# KiCad board panel_32x32_1515_r0.1.kicad_pcb (continued)
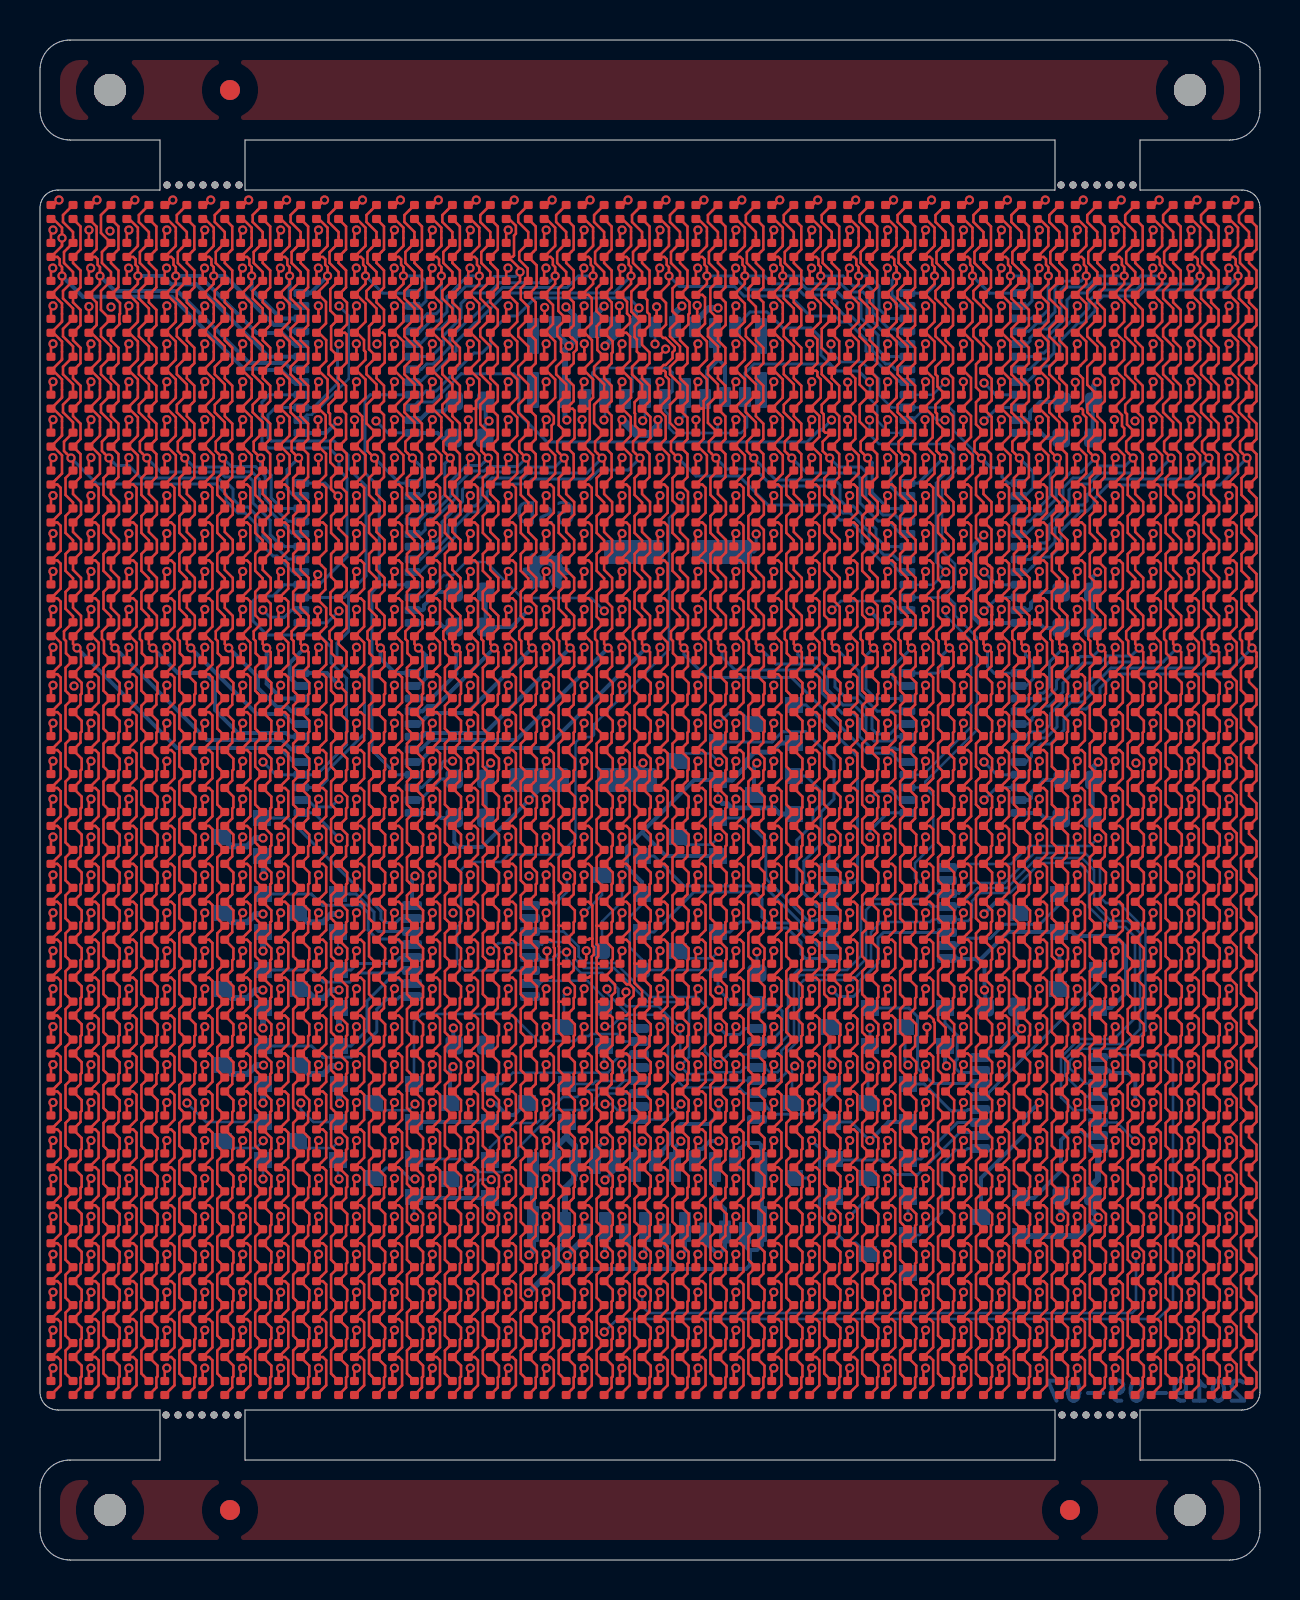
[diagram p0: board, top side]
## Routing (per net, layer and track width the routed paths; a pad name or vN(x,y) marks a point on that pad's centre or on a via; arc(x,y) is an arc through that point) (continued)
/ledArray/B: length 26.2
  In1.Cu w0.127: v1(14.95,62.7) 14.95,62.37 15.42,61.9 31.29,61.9 v1(32.09,62.7)
  Bottom w0.127: U9.2 13.34,57.26 13.58,57.26 13.72,57.4 13.77,57.4 15.44,59.06 15.44,62.21 v1(14.95,62.7)
  Bottom w0.3: v1(32.09,62.7) 31.75,62.36 J1.8
/ledArray/BLANK: length 123.9
  In2.Cu w0.15: v1(47.2,49.4) 46.55,50.05 43.15,50.05 43.05,50.15 ; 43.57,40.58 43.6,40.55 46.55,40.55 v1(47.2,39.9) ; 45.7,58.25 45.75,58.3 46.65,58.3 v1(47.2,58.85)
  In2.Cu w0.2: v1(29.95,62.6) 29.95,62.93 30.52,63.5 44.7,63.5 45.1,63.1 45.1,60.78 45.7,60.17 45.7,56.6 44.7,55.6 44.7,54.45 44.25,54 44,54 43.05,53.05 43.05,44.8 43.57,44.28 43.57,38.12 43.28,37.83 43.28,34.03 35.15,25.9 33.15,25.9 32.48,25.23 32.48,23.93 31.5,22.95 31.5,22.34 v1(30.11,20.95)
  Bottom w0.15: 16.96,48.76 16.96,53.64 16.25,54.35 16.25,58 16.51,58.26 U9.21 19.11,58.26 19.3,58.45 19.8,58.45 21.7,60.35 22.1,60.35 22.55,60.8 22.55,61.4 23.35,62.2 23.85,62.2 24.75,63.1 27.02,63.1 29.45,63.1 v1(29.95,62.6) ; 16.96,48.76 16.6,48.4 16.6,40.48 17.82,39.26 U5.21 ; 16.96,48.76 U7.21 ; v1(47.2,58.85) 47.79,58.26 U10.21 ; U6.21 47.84,39.26 v1(47.2,39.9) ; v1(47.2,49.4) 47.84,48.76 U8.21
  Bottom w0.2: J2.12 29.75,20.59 v1(30.11,20.95)
  Bottom w0.3: v1(29.95,62.6) 29.75,62.4 J1.12
/ledArray/Bout: length 52.9
  In2.Cu w0.2: v1(47.2,56.95) 46.65,56.4 46.65,54.98 46.37,54.7 46.15,54.7 45,53.55 45,50.85 45.27,50.58 46.77,50.58 47.62,49.73 47.62,49.2 46.78,48.36 46.78,45.57 47.62,44.73 47.62,39.7 46.78,38.86 46.78,37.38 43.8,34.4 43.8,30.8 41,28 38.4,28 37.35,26.95 37.35,26.45 37.05,26.15 36,26.15 35.35,25.5 35.35,22.3 34.9,21.85 32.95,21.85 v1(32.04,20.94)
  Bottom w0.15: U10.22 47.88,57.63 v1(47.2,56.95)
  Bottom w0.2: J2.8 31.75,20.65 v1(32.04,20.94)
/ledArray/G: length 46.6
  In1.Cu w0.127: v1(33.9,62.6) 33.15,61.85 31.55,61.85 31.35,61.65 17.2,61.65 16.85,61.3 v1(16.85,60.8)
  In2.Cu w0.15: v1(14.94,38.04) 14.94,42.69 15.4,43.15 15.4,46.3 14.45,47.25 14.45,48.15 14.9,48.6 14.9,52 15.4,52.5 15.4,56.75 15.33,56.82 15.33,59.63 15.75,60.05 16.1,60.05 v1(16.85,60.8)
  Bottom w0.15: U5.2 13.11,37.95 13.44,37.95 13.74,37.65 14.55,37.65 v1(14.94,38.04)
  Bottom w0.3: v1(33.9,62.6) 33.45,62.6 32.95,62.1 32.9,62.1 32.9,61.8 J1.6
/ledArray/Gout: length 30.8
  In2.Cu w0.2: v1(33.94,20.94) 34.53,20.35 35.1,20.35 35.75,21 35.75,25.3 36.2,25.75 37.25,25.75 37.8,26.3 37.8,26.85 38.45,27.5 42.4,27.5 45.1,30.2 45.1,34.3 47.2,36.4 v1(47.2,38)
  Bottom w0.15: U6.22 47.83,38.63 v1(47.2,38)
  Bottom w0.2: J2.6 32.75,20.35 32.95,20.55 33.1,20.55 33.49,20.94 v1(33.94,20.94)
/ledArray/LATCH: length 185.2
  In1.Cu w0.127: 45.25,57.85 45.25,58.88 v1(45.27,58.9) ; 45.25,57.85 41.15,57.85 ; 45.25,57.85 53.85,57.85 v1(54.75,56.95) ; 41.15,57.85 41.48,57.52 v1(41.48,57) ; 41.15,57.85 31.02,57.85 v1(30.14,56.97) 29.32,56.15 16,56.15 v1(14.95,55.1)
  In2.Cu w0.127: v1(30.15,15.25) 30.11,15.21 v1(30.11,13.35) ; v1(54.75,56.95) 54.75,55.57 55.15,55.18 55.15,49 55.5,48.65 56.15,48.65 56.6,48.2 56.6,47 56.85,46.75 57.7,46.75 58.05,46.4 58.05,45.2 56.55,43.7 56.55,17 v1(54.8,15.25) ; v1(45.29,47.5) 45.29,49.39 v1(45.29,49.4)
  Bottom w0.127: U10.4 44.63,58.26 v1(45.27,58.9) ; U6.4 44.16,39.26 46.55,41.66 46.55,45.95 45.29,47.21 v1(45.29,47.5) ; U8.4 44.66,48.76 v1(45.29,49.4) 44.8,49.89 44.8,53.85 45.7,54.75 45.7,55.55 45.45,55.8 41.95,55.8 41.48,56.27 v1(41.48,57) ; J1.11 30.25,57.08 v1(30.14,56.97) ; v1(30.11,13.35) 30.11,12.69 30.45,12.35 54.6,12.35 54.8,12.55 v1(54.8,15.25)
  Bottom w0.15: U9.4 11.46,58.26 11.1,57.9 11.1,55.9 11.4,55.6 14.45,55.6 v1(14.95,55.1) 14.95,54.5 15.35,54.1 15.35,50.16 13.95,48.76 U7.4 12.21,48.76 11.65,48.2 10.9,48.2 10.65,47.95 10.65,46.95 11.35,46.25 13.95,46.25 14.55,45.65 14.55,44.86 15.33,44.08 15.33,40.77 13.83,39.26 U5.4 11.79,39.26 v1(11.15,39.9)
  Bottom w0.2: J2.11 30.25,15.35 v1(30.15,15.25)
/ledArray/R: length 50.7
  In2.Cu w0.15: v1(11.14,47.5) 11.14,53.81 10.6,54.35 10.6,63.5 11.1,64 11.1,65.05 11.85,65.8 24.1,65.8 24.65,65.25 24.65,58.2 25.05,57.8 31.09,57.8 v1(31.95,56.95)
  Bottom w0.15: U7.2 12.57,47.49 12.22,47.14 11.51,47.14 v1(11.14,47.5) ; v1(31.95,56.95) 32.25,57.25 J1.7
/ledArray/Rout: length 49.1
  In2.Cu w0.2: v1(47.2,47.45) 48.85,45.8 48.85,28 48.4,27.55 44.2,27.55 42.5,25.85 38.1,25.85 37.65,25.4 36.5,25.4 36.15,25.05 36.15,19.5 34.4,17.75 34.4,17.6 v1(32.05,15.25)
  Bottom w0.15: U8.22 47.88,48.13 v1(47.2,47.45)
  Bottom w0.2: v1(32.05,15.25) 32.25,15.45 J2.7
/ledArray/ROWblank: length 113.1
  In2.Cu w0.127: v1(28.2,62.69) 28.2,61.7 27.75,61.25 27.75,60 28,59.75 33.4,59.75 34.35,58.8 34.35,56.55 33.8,56 29.2,56 28.65,55.45 28.65,49.7 25.95,47 25.95,30.78 v1(26.33,30.4)
  In2.Cu w0.15: v1(32.01,26.6) 28.65,23.24 28.65,21.38 v1(28.21,20.95)
  Bottom w0.127: U1.13 25,30.12 25.11,30.02 25.63,30.02 26.01,30.4 v1(26.33,30.4) 26.33,30.07 27.05,29.35 28.12,29.35 28.92,28.55 28.92,28.09 29.32,27.68 30.92,27.68 v1(32.01,26.6) 32.01,25.46 31.63,25.07 31.63,24.52 32.14,24 34.6,24 34.62,23.97 U2.13 36.93,23.97 37.3,24.35 37.3,25.35 37.95,26 37.95,28.75 38.2,29 40.65,29 41.55,29.9 41.55,31.4 42.05,31.9 44.5,31.9 44.62,32.03 45.95,32.03 46.03,31.95 46.4,31.95 46.6,32.15 46.6,32.95 47,33.35 48.5,33.35 50,34.85 51.95,34.85 52.45,34.35 52.45,32.65 53.45,31.65 54.25,31.65 54.75,31.15 54.75,27.09 53.71,26.05 51.97,26.05 51.05,25.13 51.05,23.12 51.68,22.49 52.27,22.49 52.3,22.53 52.9,22.53
  Bottom w0.2: J2.16 27.75,20.49 v1(28.21,20.95)
  Bottom w0.3: v1(28.2,62.69) 27.75,62.24 J1.16
/ledArray/ROWdat: length 54.1
  In2.Cu w0.127: v1(28.25,60.7) 28.85,61.3 35.15,61.3 35.6,60.85 35.6,56.15 35.25,55.8 35.25,54.05 35,53.8 32.62,53.8 v1(32.02,53.2)
  Bottom w0.127: 24.5,29.47 21.22,29.47 20.85,29.85 20.85,31.65 21.05,31.85 21.05,34.5 21.45,34.9 23.06,34.9 23.43,35.27 25.97,35.27 26.78,36.08 26.78,40.88 27.05,41.15 27.59,41.15 27.7,41.25 27.7,41.77 31.45,45.52 31.45,52.1 32.1,52.75 32.1,53.12 v1(32.02,53.2)
  Bottom w0.3: J1.14 28.75,61.2 v1(28.25,60.7)
/ledArray/ROWlatch: length 105.4
  In2.Cu w0.127: v1(32.01,24.7) 31.56,24.25 30.2,24.25 29.55,23.6 29.55,20.1 28.63,19.18 28.63,18.77 28.05,18.19 28.05,15.78 28.23,15.6 v1(28.23,15.28) ; v1(22.52,30.45) 23.95,31.88 23.95,35.95 23.9,36 23.9,45.05 23.95,45.1 23.95,48.15 24.3,48.5 25.3,48.5 26.7,49.9 26.7,55.39 28.2,56.89 v1(28.2,57)
  Bottom w0.127: U1.12 24.57,30.84 ; U1.12 23.9,30.78 23.83,30.84 22.92,30.84 v1(22.52,30.45) ; U1.12 25.1,30.78 25.22,30.9 26.39,30.9 26.71,30.58 26.71,30.08 27.19,29.6 28.7,29.6 30.4,27.9 32.2,27.9 32.45,27.65 32.45,25.14 v1(32.01,24.7) 32.41,24.3 33.3,24.3 33.39,24.39 35.01,24.39 35.25,24.62 U2.12 36.25,24.62 36.49,24.39 36.87,24.39 37.07,24.59 37.07,25.47 37.7,26.1 37.7,28.95 38,29.25 40.5,29.25 41.3,30.05 41.3,32.5 41.6,32.8 44.45,32.8 44.57,32.67 U3.12 45.95,32.67 46.88,33.6 48.35,33.6 49.85,35.1 52.1,35.1 52.7,34.5 52.7,32.8 53.55,31.95 54.4,31.95 55,31.35 55,26.55 54.25,25.8 52.02,25.8 51.26,25.04 51.26,24.21 52.3,23.17 U4.12 ; J1.15 28.25,57.05 v1(28.2,57)
  Bottom w0.2: J2.15 28.25,15.3 v1(28.23,15.28)
/ledArray/ROWout: length 54.3
  In2.Cu w0.127: v1(28.25,19) 27.75,18.5 27.75,11.86 v1(28.21,11.4)
  Bottom w0.127: U4.9 53.5,25.12 53.62,25.25 56.45,25.25 56.65,25.05 56.65,12.8 55.9,12.05 28.86,12.05 v1(28.21,11.4)
  Bottom w0.2: v1(28.25,19) 28.75,19.5 J2.14
/ledArray/SCLK: length 166.4
  In1.Cu w0.127: 29.9,59.95 30.5,59.95 30.55,60 39.08,60 39.55,60.47 v1(39.55,60.8)
  In1.Cu w0.15: v1(14.95,60.8) 14.95,59.85 15.15,59.65 18.9,59.65 19.2,59.95 30.45,59.95 30.52,60.02 30.52,60.57 v1(30.75,60.8)
  In2.Cu w0.127: v1(33.91,24.77) 33.91,23.84 33.94,23.81 v1(33.94,22.84)
  Bottom w0.127: U1.11 26.17,31.42 26.93,30.67 26.93,30.17 27.25,29.85 28.78,29.85 30.47,28.15 32.85,28.15 33.45,27.55 33.45,26.35 33.25,26.15 33.25,25.43 v1(33.91,24.77) 34.41,25.28 U2.11 36.45,25.28 37.4,26.22 37.4,29 37.9,29.5 40.35,29.5 41.05,30.2 41.05,32.65 41.45,33.05 44.25,33.05 44.53,33.33 ; J1.10 v1(30.75,60.8) ; U6.3 44.26,38.63 ; 44.26,38.63 44.66,38.23 44.66,35.76 43.75,34.85 43.75,34.1 44.53,33.33 ; 44.26,38.63 44.26,38.91 46.85,41.5 46.85,46.12 45.75,47.22 45.75,47.8 45.42,48.13 45.22,48.13 ; 45.22,48.13 45.22,48.28 45.75,48.81 45.75,49.8 45.1,50.45 45.1,53.75 45.9,54.55 46.4,54.55 46.65,54.8 46.65,55.5 45.7,56.45 45.7,57.4 45.47,57.63 U10.3 42.57,57.63 41.95,58.25 41.95,59.05 41.1,59.9 40.05,59.9 39.55,60.4 v1(39.55,60.8) ; 45.22,48.13 U8.3 ; 44.53,33.33 45.95,33.33 46.47,33.85 48.22,33.85 49.72,35.35 52.25,35.35 53,34.6 53,33.15 53.3,32.85 53.95,32.85 55.27,31.53 55.27,26.47 54.36,25.56 52.09,25.56 51.48,24.95 51.48,24.59 52.24,23.83 52.9,23.83
  Bottom w0.15: v1(14.95,60.8) 14.88,60.72 14.88,58.83 13.68,57.63 U9.3 11.78,57.63 11.4,57.25 11.4,56.1 11.55,55.95 14.7,55.95 15.4,55.25 15.4,54.6 16.3,53.7 16.3,49.2 15.43,48.33 ; 15.43,48.33 15.23,48.13 U7.3 ; 15.43,48.33 15.43,46.43 14.85,45.85 14.85,45 15.51,44.34 15.89,44.34 16.22,44.02 16.22,41.31 14.35,39.45 14.35,39 13.98,38.63 U5.3
  Bottom w0.2: v1(33.94,22.84) 33.94,22.29 33.45,21.8 32.05,21.8 31.5,21.25 31.5,20.86 31.12,20.48 31.12,20.32 J2.10
/ledArray/sheet5D7D53E6/COM: length 65
  Top w0.127: v1(0.65,53.22) 0.55,53.12 D257.1 ; v1(2.55,53.22) 2.45,53.12 D258.1 ; v1(4.44,53.22) 4.34,53.12 D259.1 ; v1(6.34,53.22) 6.24,53.12 D260.1 ; v1(8.24,53.22) 8.14,53.12 D261.1 ; v1(10.13,53.22) 10.03,53.12 D262.1 ; v1(12.03,53.22) 11.93,53.12 D263.1 ; v1(13.93,53.22) 13.83,53.12 D264.1 ; v1(15.82,53.22) 15.72,53.12 D265.1 ; v1(17.72,53.22) 17.62,53.12 D266.1 ; v1(19.62,53.22) 19.52,53.12 D267.1 ; v1(21.51,53.22) 21.41,53.12 D268.1 ; v1(23.41,53.22) 23.31,53.12 D269.1 ; v1(25.31,53.22) 25.21,53.12 D270.1 ; v1(27.2,53.22) 27.1,53.12 D271.1 ; v1(29.1,53.22) 29,53.12 D272.1 ; v1(31,53.22) 30.9,53.12 D273.1 ; v1(32.9,53.22) 32.79,53.12 D274.1 ; v1(34.79,53.22) 34.69,53.12 D275.1 ; v1(36.69,53.22) 36.59,53.12 D276.1 ; v1(38.59,53.22) 38.48,53.12 D277.1 ; v1(40.48,53.22) 40.38,53.12 D278.1 ; v1(42.38,53.22) 42.28,53.12 D279.1 ; v1(44.28,53.22) 44.17,53.12 D280.1 ; v1(46.17,53.22) 46.07,53.12 D281.1 ; v1(48.07,53.22) 47.97,53.12 D282.1 ; v1(49.97,53.22) 49.86,53.12 D283.1 ; v1(51.86,53.22) 51.76,53.12 D284.1 ; v1(53.76,53.22) 53.66,53.12 D285.1 ; v1(55.66,53.22) 55.56,53.12 D286.1 ; v1(57.55,53.22) 57.45,53.12 D287.1 ; v1(59.45,53.22) 59.35,53.12 D288.1
  In2.Cu w0.2: v1(37.74,24.7) 38.49,25.45 45.8,25.45 47.55,27.2 48.55,27.2 49.2,27.85 49.2,43.85 50.5,45.15 50.5,46 49.1,47.4 49.1,49.7 48.05,50.75 47.07,50.75 46.77,51.05 46.77,52.62 v1(46.17,53.22)
  Bottom w0.127: v1(37.74,24.7) 37.6,24.56 Q9.3
/ledArray/sheet5D7D53F6/COM: length 58.3
  Top w0.127: v1(0.65,51.33) 0.55,51.22 D289.1 ; v1(2.55,51.33) 2.45,51.22 D290.1 ; v1(4.44,51.33) 4.34,51.22 D291.1 ; v1(6.34,51.33) 6.24,51.22 D292.1 ; v1(8.24,51.33) 8.14,51.22 D293.1 ; v1(10.13,51.33) 10.03,51.22 D294.1 ; v1(12.03,51.33) 11.93,51.22 D295.1 ; v1(13.93,51.33) 13.83,51.22 D296.1 ; v1(15.82,51.33) 15.72,51.22 D297.1 ; v1(17.72,51.33) 17.62,51.22 D298.1 ; v1(19.62,51.33) 19.52,51.22 D299.1 ; v1(21.51,51.33) 21.41,51.22 D300.1 ; v1(23.41,51.33) 23.31,51.22 D301.1 ; v1(25.31,51.33) 25.21,51.22 D302.1 ; v1(27.2,51.33) 27.1,51.22 D303.1 ; v1(29.1,51.33) 29,51.22 D304.1 ; v1(31,51.33) 30.9,51.22 D305.1 ; v1(32.9,51.33) 32.79,51.22 D306.1 ; v1(34.79,51.33) 34.69,51.22 D307.1 ; v1(36.69,51.33) 36.59,51.22 D308.1 ; v1(38.59,51.33) 38.48,51.22 D309.1 ; v1(40.48,51.33) 40.38,51.22 D310.1 ; v1(42.38,51.33) 42.28,51.22 D311.1 ; v1(44.28,51.33) 44.17,51.22 D312.1 ; v1(46.17,51.33) 46.07,51.22 D313.1 ; v1(48.07,51.33) 47.97,51.22 D314.1 ; v1(49.97,51.33) 49.86,51.22 D315.1 ; v1(51.86,51.33) 51.76,51.22 D316.1 ; v1(53.76,51.33) 53.66,51.22 D317.1 ; v1(55.66,51.33) 55.56,51.22 D318.1 ; v1(57.55,51.33) 57.45,51.22 D319.1 ; v1(59.45,51.33) 59.35,51.22 D320.1
  In2.Cu w0.2: v1(2.55,51.33) 2.97,50.91 2.97,29.16 v1(11.16,20.96)
  Bottom w0.127: Q10.3 9.5,20.6 10.8,20.6 v1(11.16,20.96)
/ledArray/sheet5D7D542A/COM: length 53.7
  Top w0.127: v1(0.65,45.64) 0.55,45.53 D385.1 ; v1(2.55,45.64) 2.45,45.53 D386.1 ; v1(4.44,45.64) 4.34,45.53 D387.1 ; v1(6.34,45.64) 6.24,45.53 D388.1 ; v1(8.24,45.64) 8.14,45.53 D389.1 ; v1(10.13,45.64) 10.03,45.53 D390.1 ; v1(12.03,45.64) 11.93,45.53 D391.1 ; v1(13.93,45.64) 13.83,45.53 D392.1 ; v1(15.82,45.64) 15.72,45.53 D393.1 ; v1(17.72,45.64) 17.62,45.53 D394.1 ; v1(19.62,45.64) 19.52,45.53 D395.1 ; v1(21.51,45.64) 21.41,45.53 D396.1 ; v1(23.41,45.64) 23.31,45.53 D397.1 ; v1(25.31,45.64) 25.21,45.53 D398.1 ; v1(27.2,45.64) 27.1,45.53 D399.1 ; v1(29.1,45.64) 29,45.53 D400.1 ; v1(31,45.64) 30.9,45.53 D401.1 ; v1(32.9,45.64) 32.79,45.53 D402.1 ; v1(34.79,45.64) 34.69,45.53 D403.1 ; v1(36.69,45.64) 36.59,45.53 D404.1 ; v1(38.59,45.64) 38.48,45.53 D405.1 ; v1(40.48,45.64) 40.38,45.53 D406.1 ; v1(42.38,45.64) 42.28,45.53 D407.1 ; v1(44.28,45.64) 44.17,45.53 D408.1 ; v1(46.17,45.64) 46.07,45.53 D409.1 ; v1(48.07,45.64) 47.97,45.53 D410.1 ; v1(49.97,45.64) 49.86,45.53 D411.1 ; v1(51.86,45.64) 51.76,45.53 D412.1 ; v1(53.76,45.64) 53.66,45.53 D413.1 ; v1(55.66,45.64) 55.56,45.53 D414.1 ; v1(57.55,45.64) 57.45,45.53 D415.1 ; v1(59.45,45.64) 59.35,45.53 D416.1
  In2.Cu w0.2: v1(22.56,19.02) 20.98,20.6 20.98,23.37 20.2,24.15 20.2,30.9 19.05,32.05 19.05,32.9 20.2,34.05 20.2,44.32 v1(21.51,45.64)
  Bottom w0.127: Q13.3 20.55,19.05 21.08,18.52 21.52,18.52 22.02,19.02 v1(22.56,19.02)
/ledArray/sheet5D7D543A/COM: length 46.1
  Top w0.127: v1(0.65,43.74) 0.55,43.64 D417.1 ; v1(2.55,43.74) 2.45,43.64 D418.1 ; v1(4.44,43.74) 4.34,43.64 D419.1 ; v1(6.34,43.74) 6.24,43.64 D420.1 ; v1(8.24,43.74) 8.14,43.64 D421.1 ; v1(10.13,43.74) 10.03,43.64 D422.1 ; v1(12.03,43.74) 11.93,43.64 D423.1 ; v1(13.93,43.74) 13.83,43.64 D424.1 ; v1(15.82,43.74) 15.72,43.64 D425.1 ; v1(17.72,43.74) 17.62,43.64 D426.1 ; v1(19.62,43.74) 19.52,43.64 D427.1 ; v1(21.51,43.74) 21.41,43.64 D428.1 ; v1(23.41,43.74) 23.31,43.64 D429.1 ; v1(25.31,43.74) 25.21,43.64 D430.1 ; v1(27.2,43.74) 27.1,43.64 D431.1 ; v1(29.1,43.74) 29,43.64 D432.1 ; v1(31,43.74) 30.9,43.64 D433.1 ; v1(32.9,43.74) 32.79,43.64 D434.1 ; v1(34.79,43.74) 34.69,43.64 D435.1 ; v1(36.69,43.74) 36.59,43.64 D436.1 ; v1(38.59,43.74) 38.48,43.64 D437.1 ; v1(40.48,43.74) 40.38,43.64 D438.1 ; v1(42.38,43.74) 42.28,43.64 D439.1 ; v1(44.28,43.74) 44.17,43.64 D440.1 ; v1(46.17,43.74) 46.07,43.64 D441.1 ; v1(48.07,43.74) 47.97,43.64 D442.1 ; v1(49.97,43.74) 49.86,43.64 D443.1 ; v1(51.86,43.74) 51.76,43.64 D444.1 ; v1(53.76,43.74) 53.66,43.64 D445.1 ; v1(55.66,43.74) 55.56,43.64 D446.1 ; v1(57.55,43.74) 57.45,43.64 D447.1 ; v1(59.45,43.74) 59.35,43.64 D448.1
  In2.Cu w0.2: v1(22.52,22.85) 22.52,28.48 21.95,29.05 21.95,32.65 22.52,33.22 22.52,38.62 22.95,39.05 22.95,43.28 v1(23.41,43.74)
  Bottom w0.2: Q14.3 24.3,22.85 23.7,22.25 23.34,22.25 22.74,22.85 v1(22.52,22.85)
  vias: v1(1.7,43.7)
/ledArray/sheet5D7D544C/COM: length 41.9
  Top w0.127: v1(0.65,41.84) 0.55,41.74 D449.1 ; v1(2.55,41.84) 2.45,41.74 D450.1 ; v1(4.44,41.84) 4.34,41.74 D451.1 ; v1(6.34,41.84) 6.24,41.74 D452.1 ; v1(8.24,41.84) 8.14,41.74 D453.1 ; v1(10.13,41.84) 10.03,41.74 D454.1 ; v1(12.03,41.84) 11.93,41.74 D455.1 ; v1(13.93,41.84) 13.83,41.74 D456.1 ; v1(15.82,41.84) 15.72,41.74 D457.1 ; v1(17.72,41.84) 17.62,41.74 D458.1 ; v1(19.62,41.84) 19.52,41.74 D459.1 ; v1(21.51,41.84) 21.41,41.74 D460.1 ; v1(23.41,41.84) 23.31,41.74 D461.1 ; v1(25.31,41.84) 25.21,41.74 D462.1 ; v1(27.2,41.84) 27.1,41.74 D463.1 ; v1(29.1,41.84) 29,41.74 D464.1 ; v1(31,41.84) 30.9,41.74 D465.1 ; v1(32.9,41.84) 32.79,41.74 D466.1 ; v1(34.79,41.84) 34.69,41.74 D467.1 ; v1(36.69,41.84) 36.59,41.74 D468.1 ; v1(38.59,41.84) 38.48,41.74 D469.1 ; v1(40.48,41.84) 40.38,41.74 D470.1 ; v1(42.38,41.84) 42.28,41.74 D471.1 ; v1(44.28,41.84) 44.17,41.74 D472.1 ; v1(46.17,41.84) 46.07,41.74 D473.1 ; v1(48.07,41.84) 47.97,41.74 D474.1 ; v1(49.97,41.84) 49.86,41.74 D475.1 ; v1(51.86,41.84) 51.76,41.74 D476.1 ; v1(53.76,41.84) 53.66,41.74 D477.1 ; v1(55.66,41.84) 55.56,41.74 D478.1 ; v1(57.55,41.84) 57.45,41.74 D479.1 ; v1(59.45,41.84) 59.35,41.74 D480.1
  In2.Cu w0.2: v1(20.65,24.67) 21.09,25.1 21.09,38.74 22.05,39.7 22.05,41.31 v1(21.51,41.84)
  Bottom w0.2: Q15.3 20.5,24.52 v1(20.65,24.67)
/ledArray/sheet5D7D545C/COM: length 42.9
  Top w0.127: v1(0.65,39.95) 0.55,39.84 D481.1 ; v1(2.55,39.95) 2.45,39.84 D482.1 ; v1(4.44,39.95) 4.34,39.84 D483.1 ; v1(6.34,39.95) 6.24,39.84 D484.1 ; v1(8.24,39.95) 8.14,39.84 D485.1 ; v1(10.13,39.95) 10.03,39.84 D486.1 ; v1(12.03,39.95) 11.93,39.84 D487.1 ; v1(13.93,39.95) 13.83,39.84 D488.1 ; v1(15.82,39.95) 15.72,39.84 D489.1 ; v1(17.72,39.95) 17.62,39.84 D490.1 ; v1(19.62,39.95) 19.52,39.84 D491.1 ; v1(21.51,39.95) 21.41,39.84 D492.1 ; v1(23.41,39.95) 23.31,39.84 D493.1 ; v1(25.31,39.95) 25.21,39.84 D494.1 ; v1(27.2,39.95) 27.1,39.84 D495.1 ; v1(29.1,39.95) 29,39.84 D496.1 ; v1(31,39.95) 30.9,39.84 D497.1 ; v1(32.9,39.95) 32.79,39.84 D498.1 ; v1(34.79,39.95) 34.69,39.84 D499.1 ; v1(36.69,39.95) 36.59,39.84 D500.1 ; v1(38.59,39.95) 38.48,39.84 D501.1 ; v1(40.48,39.95) 40.38,39.84 D502.1 ; v1(42.38,39.95) 42.28,39.84 D503.1 ; v1(44.28,39.95) 44.17,39.84 D504.1 ; v1(46.17,39.95) 46.07,39.84 D505.1 ; v1(48.07,39.95) 47.97,39.84 D506.1 ; v1(49.97,39.95) 49.86,39.84 D507.1 ; v1(51.86,39.95) 51.76,39.84 D508.1 ; v1(53.76,39.95) 53.66,39.84 D509.1 ; v1(55.66,39.95) 55.56,39.84 D510.1 ; v1(57.55,39.95) 57.45,39.84 D511.1 ; v1(59.45,39.95) 59.35,39.84 D512.1
  In2.Cu w0.2: v1(18.75,22.8) 16.95,24.6 16.95,26.7 16.6,27.05 16.6,38.82 v1(17.72,39.95)
  Bottom w0.127: v1(18.75,22.8) 18.44,22.49 17.06,22.49 Q16.3
/ledArray/sheet5D7D5408/COM: length 53.8
  Top w0.127: v1(0.65,49.43) 0.55,49.33 D321.1 ; v1(2.55,49.43) 2.45,49.33 D322.1 ; v1(4.44,49.43) 4.34,49.33 D323.1 ; v1(6.34,49.43) 6.24,49.33 D324.1 ; v1(8.24,49.43) 8.14,49.33 D325.1 ; v1(10.13,49.43) 10.03,49.33 D326.1 ; v1(12.03,49.43) 11.93,49.33 D327.1 ; v1(15.82,49.43) 15.72,49.33 D329.1 ; v1(17.72,49.43) 17.62,49.33 D330.1 ; v1(19.62,49.43) 19.52,49.33 D331.1 ; v1(21.51,49.43) 21.41,49.33 D332.1 ; v1(23.41,49.43) 23.31,49.33 D333.1 ; v1(25.31,49.43) 25.21,49.33 D334.1 ; v1(27.2,49.43) 27.1,49.33 D335.1 ; v1(29.1,49.43) 29,49.33 D336.1 ; v1(31,49.43) 30.9,49.33 D337.1 ; v1(32.9,49.43) 32.79,49.33 D338.1 ; v1(34.79,49.43) 34.69,49.33 D339.1 ; v1(36.69,49.43) 36.59,49.33 D340.1 ; v1(38.59,49.43) 38.48,49.33 D341.1 ; v1(40.48,49.43) 40.38,49.33 D342.1 ; v1(42.38,49.43) 42.28,49.33 D343.1 ; v1(44.28,49.43) 44.17,49.33 D344.1 ; v1(46.17,49.43) 46.07,49.33 D345.1 ; v1(48.07,49.43) 47.97,49.33 D346.1 ; v1(49.97,49.43) 49.86,49.33 D347.1 ; v1(51.86,49.43) 51.76,49.33 D348.1 ; v1(53.76,49.43) 53.66,49.33 D349.1 ; v1(55.66,49.43) 55.56,49.33 D350.1 ; v1(57.55,49.43) 57.45,49.33 D351.1 ; v1(59.45,49.43) 59.35,49.33 D352.1 ; D328.1 13.8,48.81 13.8,49.35 13.81,49.35 v1(13.89,49.28)
  In2.Cu w0.2: v1(14.95,20.95) 16.5,22.5 16.5,26.65 16.24,26.91 16.24,49.01 v1(15.82,49.43)
  Bottom w0.127: v1(14.95,20.95) 14.6,20.6 13.25,20.6 Q11.3
/ledArray/sheet5D7D5419/COM: length 54.1
  Top w0.127: v1(0.65,47.53) 0.55,47.43 D353.1 ; v1(2.55,47.53) 2.45,47.43 D354.1 ; v1(4.44,47.53) 4.34,47.43 D355.1 ; v1(6.34,47.53) 6.24,47.43 D356.1 ; v1(8.24,47.53) 8.14,47.43 D357.1 ; v1(10.13,47.53) 10.03,47.43 D358.1 ; v1(12.03,47.53) 11.93,47.43 D359.1 ; v1(15.82,47.53) 15.72,47.43 D361.1 ; v1(17.72,47.53) 17.62,47.43 D362.1 ; v1(19.62,47.53) 19.52,47.43 D363.1 ; v1(21.51,47.53) 21.41,47.43 D364.1 ; v1(23.41,47.53) 23.31,47.43 D365.1 ; v1(25.31,47.53) 25.21,47.43 D366.1 ; v1(27.2,47.53) 27.1,47.43 D367.1 ; v1(29.1,47.53) 29,47.43 D368.1 ; v1(31,47.53) 30.9,47.43 D369.1 ; v1(32.9,47.53) 32.79,47.43 D370.1 ; v1(34.79,47.53) 34.69,47.43 D371.1 ; v1(36.69,47.53) 36.59,47.43 D372.1 ; v1(38.59,47.53) 38.48,47.43 D373.1 ; v1(40.48,47.53) 40.38,47.43 D374.1 ; v1(42.38,47.53) 42.28,47.43 D375.1 ; v1(44.28,47.53) 44.17,47.43 D376.1 ; v1(46.17,47.53) 46.07,47.43 D377.1 ; v1(48.07,47.53) 47.97,47.43 D378.1 ; v1(49.97,47.53) 49.86,47.43 D379.1 ; v1(51.86,47.53) 51.76,47.43 D380.1 ; v1(53.76,47.53) 53.66,47.43 D381.1 ; v1(55.66,47.53) 55.56,47.43 D382.1 ; v1(57.55,47.53) 57.45,47.43 D383.1 ; v1(59.45,47.53) 59.35,47.43 D384.1 ; v1(13.88,47.49) 13.88,46.94 D360.1
  In2.Cu w0.2: v1(18.75,19.05) 19.17,19.47 19.17,23.38 18.5,24.05 18.5,33.7 18.25,33.95 18.25,35.25 18.65,35.65 18.65,44.95 18.14,45.46 18.14,47.11 v1(17.72,47.53)
  Bottom w0.15: 16.7,19.05 16.75,19.05 17.3,19.6 17.95,19.6 18.5,19.05 v1(18.75,19.05)
/ledArray/sheet5D7371BF/COM: length 75.8
  Top w0.127: v1(2.85,68) 2.6,67.75 D2.1 ; v1(4.74,68) 4.49,67.75 D3.1 ; v1(6.64,68) 6.39,67.75 D4.1 ; v1(8.54,68) 8.29,67.75 D5.1 ; v1(10.43,68) 10.18,67.75 D6.1 ; v1(12.33,68) 12.08,67.75 D7.1 ; v1(14.23,68) 13.98,67.75 D8.1 ; v1(16.12,68) 15.87,67.75 D9.1 ; v1(18.02,68) 17.77,67.75 D10.1 ; v1(19.92,68) 19.67,67.75 D11.1 ; v1(21.81,68) 21.56,67.75 D12.1 ; v1(23.71,68) 23.46,67.75 D13.1 ; v1(25.61,68) 25.36,67.75 D14.1 ; v1(27.5,68) 27.25,67.75 D15.1 ; v1(29.4,68) 29.15,67.75 D16.1 ; v1(31.3,68) 31.05,67.75 D17.1 ; v1(33.2,68) 32.94,67.75 D18.1 ; v1(35.09,68) 34.84,67.75 D19.1 ; v1(36.99,68) 36.74,67.75 D20.1 ; v1(38.89,68) 38.63,67.75 D21.1 ; v1(40.78,68) 40.53,67.75 D22.1 ; v1(42.68,68) 42.43,67.75 D23.1 ; v1(44.58,68) 44.32,67.75 D24.1 ; v1(46.47,68) 46.22,67.75 D25.1 ; v1(48.37,68) 48.12,67.75 D26.1 ; v1(50.27,68) 50.01,67.75 D27.1 ; v1(52.16,68) 51.91,67.75 D28.1 ; v1(54.06,68) 53.81,67.75 D29.1 ; v1(55.96,68) 55.71,67.75 D30.1 ; v1(57.85,68) 57.6,67.75 D31.1 ; v1(59.75,68) 59.5,67.75 D32.1 ; v1(0.95,68) 0.7,67.75 D1.1
  In2.Cu w0.2: v1(26.36,28.44) 27.73,29.81 27.73,30.66 27.62,30.77 27.62,47.68 28.25,48.3 36.75,48.3 37.11,48.66 37.11,55.24 37.6,55.73 37.6,61.25 36.95,61.9 29.6,61.9 29.4,62.1 29.4,63.45 28.45,64.4 28.45,67.05 v1(29.4,68)
  Bottom w0.127: v1(26.36,28.44) 26.2,28.28 Q1.3
/ledArray/sheet5D7371D0/COM: length 69.3
  Top w0.127: D35.1 4.34,66.4 v1(4.44,66.5) ; D36.1 6.24,66.4 v1(6.34,66.5) ; D37.1 8.14,66.4 v1(8.24,66.5) ; D38.1 10.03,66.4 v1(10.13,66.5) ; D39.1 11.93,66.4 v1(12.03,66.5) ; D40.1 13.83,66.4 v1(13.93,66.5) ; D41.1 15.72,66.4 v1(15.82,66.5) ; D42.1 17.62,66.4 v1(17.72,66.5) ; D43.1 19.52,66.4 v1(19.62,66.5) ; D44.1 21.41,66.4 v1(21.51,66.5) ; D45.1 23.31,66.4 v1(23.41,66.5) ; D46.1 25.21,66.4 v1(25.31,66.5) ; D47.1 27.1,66.4 v1(27.2,66.5) ; D48.1 29,66.4 v1(29.1,66.5) ; D49.1 30.9,66.4 v1(31,66.5) ; D50.1 32.79,66.4 v1(32.9,66.5) ; D51.1 34.69,66.4 v1(34.79,66.5) ; D52.1 36.59,66.4 v1(36.69,66.5) ; D53.1 38.48,66.4 v1(38.59,66.5) ; D54.1 40.38,66.4 v1(40.48,66.5) ; D55.1 42.28,66.4 v1(42.38,66.5) ; D56.1 44.17,66.4 v1(44.28,66.5) ; D57.1 46.07,66.4 v1(46.17,66.5) ; D58.1 47.97,66.4 v1(48.07,66.5) ; D59.1 49.86,66.4 v1(49.97,66.5) ; D60.1 51.76,66.4 v1(51.86,66.5) ; D61.1 53.66,66.4 v1(53.76,66.5) ; D62.1 55.56,66.4 v1(55.66,66.5) ; D63.1 57.45,66.4 v1(57.55,66.5) ; D64.1 59.35,66.4 v1(59.45,66.5) ; v1(0.65,66.5) 0.55,66.4 D33.1 ; D34.1 2.45,66.5 v1(2.45,66.5)
  In2.Cu w0.2: v1(11.18,24.74) 4.92,30.99 4.92,63.61 5.31,64 5.31,65.63 v1(4.44,66.5)
  Bottom w0.3: Q2.3 9.6,24.3 10.37,24.3 10.81,24.74 v1(11.18,24.74)
/ledArray/sheet5D7371E3/COM: length 65.5
  Top w0.127: D66.1 2.45,64.51 v1(2.53,64.6) ; D67.1 4.34,64.51 v1(4.43,64.6) ; D68.1 6.24,64.51 v1(6.33,64.6) ; D69.1 8.14,64.51 v1(8.23,64.6) ; D70.1 10.03,64.51 v1(10.12,64.6) ; D71.1 11.93,64.51 v1(12.02,64.6) ; D72.1 13.83,64.51 v1(13.92,64.6) ; D73.1 15.72,64.51 v1(15.81,64.6) ; D74.1 17.62,64.51 v1(17.71,64.6) ; D75.1 19.52,64.51 v1(19.61,64.6) ; D76.1 21.41,64.51 v1(21.5,64.6) ; D77.1 23.31,64.51 v1(23.4,64.6) ; D78.1 25.21,64.51 v1(25.3,64.6) ; D79.1 27.1,64.51 v1(27.19,64.6) ; D80.1 29,64.51 v1(29.09,64.6) ; D81.1 30.9,64.51 v1(30.99,64.6) ; D82.1 32.79,64.51 v1(32.88,64.6) ; D83.1 34.69,64.51 v1(34.78,64.6) ; D84.1 36.59,64.51 v1(36.68,64.6) ; D85.1 38.48,64.51 v1(38.57,64.6) ; D86.1 40.38,64.51 v1(40.47,64.6) ; D87.1 42.28,64.51 v1(42.37,64.6) ; D88.1 44.17,64.51 v1(44.26,64.6) ; D89.1 46.07,64.51 v1(46.16,64.6) ; D90.1 47.97,64.51 v1(48.06,64.6) ; D91.1 49.86,64.51 v1(49.95,64.6) ; D92.1 51.76,64.51 v1(51.85,64.6) ; D93.1 53.66,64.51 v1(53.75,64.6) ; D94.1 55.56,64.51 v1(55.64,64.6) ; D95.1 57.45,64.51 v1(57.54,64.6) ; D96.1 59.35,64.51 v1(59.44,64.6) ; D65.1 0.55,64.51 v1(0.64,64.6)
  In2.Cu w0.2: v1(14.94,24.7) 12.62,27.02 12.62,53.63 11.61,54.64 11.61,64.19 v1(12.02,64.6)
  Bottom w0.3: v1(14.94,24.7) 14.57,24.7 14.17,24.3 13.45,24.3 13,24.75 Q3.3
/ledArray/sheet5D7371F5/COM: length 60.6
  Top w0.127: v1(0.65,62.71) 0.55,62.61 D97.1 ; v1(4.44,62.71) 4.34,62.61 D99.1 ; v1(6.34,62.71) 6.24,62.61 D100.1 ; v1(8.24,62.71) 8.14,62.61 D101.1 ; v1(10.13,62.71) 10.03,62.61 D102.1 ; v1(12.03,62.71) 11.93,62.61 D103.1 ; v1(15.82,62.71) 15.72,62.61 D105.1 ; v1(17.72,62.71) 17.62,62.61 D106.1 ; v1(19.62,62.71) 19.52,62.61 D107.1 ; v1(21.51,62.71) 21.41,62.61 D108.1 ; v1(23.41,62.71) 23.31,62.61 D109.1 ; v1(27.2,62.71) 27.1,62.61 D111.1 ; v1(34.79,62.71) 34.69,62.61 D115.1 ; v1(36.69,62.71) 36.59,62.61 D116.1 ; v1(38.59,62.71) 38.48,62.61 D117.1 ; v1(40.48,62.71) 40.38,62.61 D118.1 ; v1(42.38,62.71) 42.28,62.61 D119.1 ; v1(44.28,62.71) 44.17,62.61 D120.1 ; v1(46.17,62.71) 46.07,62.61 D121.1 ; v1(48.07,62.71) 47.97,62.61 D122.1 ; v1(49.97,62.71) 49.86,62.61 D123.1 ; v1(51.86,62.71) 51.76,62.61 D124.1 ; v1(53.76,62.71) 53.66,62.61 D125.1 ; v1(55.66,62.71) 55.56,62.61 D126.1 ; v1(57.55,62.71) 57.45,62.61 D127.1 ; v1(59.45,62.71) 59.35,62.61 D128.1 ; D112.1 28.97,62.09 v1(28.97,62.71) ; D98.1 2.45,62.67 v1(2.45,62.67) ; D114.1 32.86,62.12 v1(32.86,62.73) ; v1(25.23,62.63) 25.23,62.08 D110.1 ; v1(30.83,62.66) 30.83,62.12 D113.1 ; D104.1 13.92,62.15 v1(13.92,62.71)